# Altium PCB base-32-bit.PcbDoc (part 1 of 2) (continued)
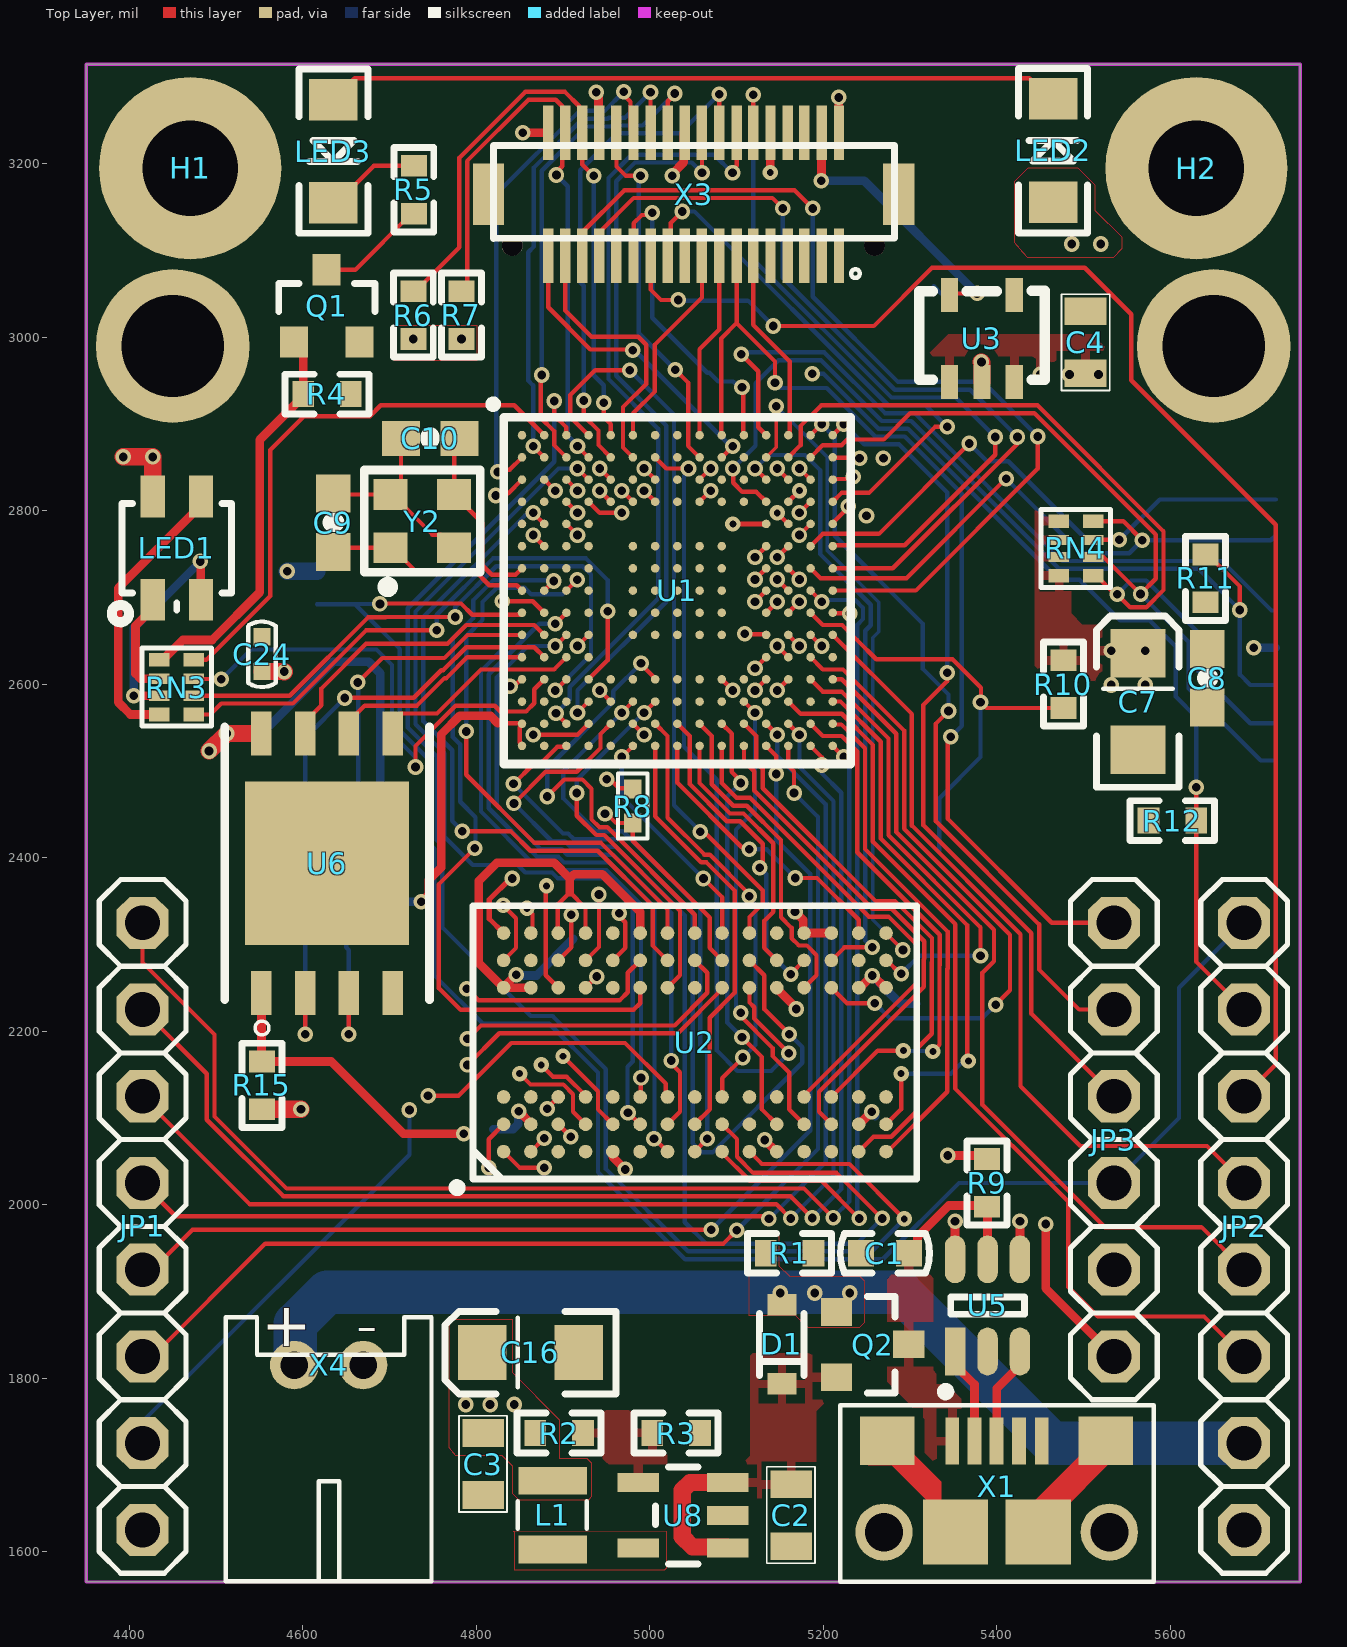
[diagram p0: Top Layer view]
## Footprints (in the part's own frame and the unit in brackets; to place one, negate y for a bottom-side part, rotate by r counter-clockwise, add the part's x,y. Pads: shape width x height; smd on the part's side, far side on the other; paste and mask are expansions set on the pad)
1X06 [mil] "1X06"
  oct 60x60 hole 40: 1(-250,0) 2(-150,0) 3(-50,0) 4(50,0) 5(150,0) 6(250,0)
  silkscreen extent -300,-50 300,50
1X08 [mil] "1X08"
  oct 60x60 hole 40: 1(-350,0) 2(-250,0) 3(-150,0) 4(-50,0) 5(50,0) 6(150,0) 7(250,0) 8(350,0)
  silkscreen extent -400,-50 400,50
2,8-PAD [mil] "2,8-PAD"
  round 210 / inner round 60 / far side round 210 hole 110.24: B2,8(0,0)
0603 [mil] "0603"
  rect 40x40 smd: 1(-31.5,0) 2(32,0)
  silkscreen extent -59,-28 60,28, body extent -31,-17 32,16, height 32
0603-CAP [mil] "0603-CAP"
  rect 44x40 smd: 1(-33.46,0) 2(34,0)
  silkscreen extent 0,-1 0,2, body extent -31,-17 32,16, height 32
0805 [mil] "0805"
  rect 32x48 smd: 1(-35.43,0) 2(36,0)
  silkscreen extent -55,-28 56,28, body extent -39,-24 39,24, height 20
1007 [mil] "1007"
  rect 79x32 smd: 1(0,40) 2(0,-39.37)
  silkscreen extent -39,-16 40,16, body extent -36,-50 35,48, height 35
BGA-90-8000X13000DE [mil]
  round 15.75 smd: A1(0,0) A2(31.5,0) A3(62.99,0) A7(188.98,0) A8(220.47,0) A9(251.97,0) B1(0,-31.5) B2(31.5,-31.5) B3(62.99,-31.5) B7(188.98,-31.5) B8(220.47,-31.5) B9(251.97,-31.5) C1(0,-62.99) C2(31.5,-62.99) C3(62.99,-62.99) C7(188.98,-62.99) C8(220.47,-62.99) C9(251.97,-62.99) D1(0,-94.49) D2(31.5,-94.49) D3(62.99,-94.49) D7(188.98,-94.49) D8(220.47,-94.49) D9(251.97,-94.49) E1(0,-125.98) E2(31.5,-125.98) E3(62.99,-125.98) E7(188.98,-125.98) E8(220.47,-125.98) E9(251.97,-125.98) F1(0,-157.48) F2(31.5,-157.48) F3(62.99,-157.48) F7(188.98,-157.48) F8(220.47,-157.48) F9(251.97,-157.48) G1(0,-188.98) G2(31.5,-188.98) G3(62.99,-188.98) G7(188.98,-188.98) G8(220.47,-188.98) G9(251.97,-188.98) H1(0,-220.47) H2(31.5,-220.47) H3(62.99,-220.47) H7(188.98,-220.47) H8(220.47,-220.47) H9(251.97,-220.47) J1(0,-251.97) J2(31.5,-251.97) J3(62.99,-251.97) J7(188.98,-251.97) J8(220.47,-251.97) J9(251.97,-251.97) K1(0,-283.46) K2(31.5,-283.46) K3(62.99,-283.46) K7(188.98,-283.46) K8(220.47,-283.46) K9(251.97,-283.46) L1(0,-314.96) L2(31.5,-314.96) L3(62.99,-314.96) L7(188.98,-314.96) L8(220.47,-314.96) L9(251.97,-314.96) M1(0,-346.46) M2(31.5,-346.46) M3(62.99,-346.46) M7(188.98,-346.46) M8(220.47,-346.46) M9(251.97,-346.46) N1(0,-377.95) N2(31.5,-377.95) N3(62.99,-377.95) N7(188.98,-377.95) N8(220.47,-377.95) N9(251.97,-377.95) P1(0,-409.45) P2(31.5,-409.45) P3(62.99,-409.45) P7(188.98,-409.45) P8(220.47,-409.45) P9(251.97,-409.45) R1(0,-440.94) R2(31.5,-440.94) R3(62.99,-440.94) R7(188.98,-440.94) R8(220.47,-440.94) R9(251.97,-440.94)
  silkscreen extent -46,-476 283,58, body extent -31,-476 284,36, height 43
C0402 [mil]
  rect 20x20 smd: 1(-20,1) 2(20,1)
  silkscreen extent -38,-15 38,17, body extent -20,-9 20,11, height 21
C0603 [mil]
  rect 29.92x30 smd: 1(0,0) 2(55,0)
  silkscreen extent -24,-23 79,23, body extent -3,-16 60,16, height 32
DF12-36-DS [mil] "DF12-36-DS"
  round 24 hole 24: 1(-208.66,-59.06) 1(209,-59.06)
  rect 12x63 smd: 1(168,-70.87) 2(168,71) 3(148,-70.87) 4(148,71) 5(128,-70.87) 6(128,71) 7(109,-70.87) 8(109,71) 9(89,-70.87) 10(89,71) 11(69,-70.87) 12(69,71) 13(50,-70.87) 14(50,71) 15(30,-70.87) 16(30,71) 17(10,-70.87) 18(10,71) 19(-9.84,-70.87) 20(-9.84,71) 21(-29.53,-70.87) 22(-29.53,71) 23(-49.21,-70.87) 24(-49.21,71) 25(-68.9,-70.87) 26(-68.9,71) 27(-88.58,-70.87) 28(-88.58,71) 29(-108.27,-70.87) 30(-108.27,71) 31(-127.95,-70.87) 32(-127.95,71) 33(-147.64,-70.87) 34(-147.64,71) 35(-167.32,-70.87) 36(-167.32,71)
  rect 36x71 smd: F1(237,0) F2(-236.22,0)
  silkscreen extent -230,-96 232,56, body extent -238,-91 238,90, height 106
EIA3216 [mil] "EIA3216"
  rect 56x63 smd: A(56,0) C(-55.12,0)
  silkscreen extent -98,-47 99,48, body extent -68,-36 66,35, height 71
JST-PH-2-THM-RA [mil] "JST-PH-2-THM-RA"
  round 56 hole 32: 1(40,0) 2(-39.37,0)
  silkscreen extent -118,-55 119,249, body extent -116,-46 116,253, height 193
LED-1206 [mil] "LED-1206"
  rect 48x56 smd: A(-59.06,0) C(60,0)
  silkscreen extent -94,-39 95,40, body extent -62,-32 64,32, height 40
LED-TRICOLOR-SMD [mil] "LED-TRICOLOR-SMD"
  rect 28x48 smd: A(27.56,-60) B(-28,-60) G(-28,59.06) R(27.56,59.06)
  silkscreen extent -63,-52 75,85, body extent -55,-70 55,67, height 75
MICROUSB-RIGHT [mil] "MICROUSB-RIGHT"
  rect 16x54 smd: 1(-51.18,50) 2(-25.59,50) 3(0,50) 4(26,50) 5(52,50)
  rect 63x56 smd: S(-125.98,50) S(126,50)
  rect 75x75 smd: S(-47.24,-55.31) S(48,-55.31)
  round 66 hole 44: S1(-129.92,-55.31) S2(130,-55.31)
  silkscreen extent -180,-112 181,91, body extent -159,-157 159,62, height 107
OSC-SMD_4P-L2.5-W2.0-BL [mm]
  rect 1x0.9 smd: 1(-0.93,-0.78) 2(0.93,-0.78) 3(0.93,0.78) 4(-0.93,0.78)
  silkscreen extent -1.7,-2.08 1.7,1.5, body extent -1.22,-1.03 1.28,0.97, height 0.55
R0402 [mil]
  rect 22x20 smd: 1(0,0) 2(39,0)
  silkscreen extent -18,-17 57,17, body extent 0,-10 40,10, height 12
R0603 [mil]
  rect 25x30 smd: 1(0,0) 2(55,0)
  silkscreen extent -21,-23 76,23, body extent -3,-16 60,16, height 16
RCA-8P4R-0402 [mm] "2mm*1mm*0.45mm(长*宽*厚)"
  rect 0.4x0.6 smd: 1(-0.8,-0.5) 4(0.8,-0.5) 5(0.8,0.5) 8(-0.8,0.5)
  rect 0.3x0.6 smd: 2(-0.25,-0.5) 3(0.25,-0.5) 6(0.25,0.5) 7(-0.25,0.5)
  silkscreen extent -1.14,-1.02 1.15,1.01, body extent -1,-0.5 1,0.5, height 0.45
SOD-323 [mil] "SOD-323"
  rect 25x33 smd: 1(-45.28,0) 2(46,0)
  silkscreen extent -35,-26 36,26, body extent -53,-26 53,27, height 31
SOT23-3 [mil] "SOT23-3"
  rect 32x36 smd: 1(-37.4,-39.37) 2(38,-39.37) 3(0,44)
  silkscreen extent -55,-4 56,28, body extent -57,-48 58,50, height 40
SOT-23-5 [mm]
  rect 0.508x1 smd: 1(0,0) 2(0.95,0) 3(1.9,0) 4(1.9,2.54) 5(0,2.54)
  silkscreen extent -0.89,0.06 2.79,2.67, body extent -0.5,-0.12 2.4,2.68, height 1.45
SOT-23-6 [mm]
  rect 0.6x1.4 smd: 1(0,0)
  oval 0.6x1.4 smd: 2(0.95,0) 3(1.9,0) 4(1.9,2.7) 5(0.95,2.7) 6(0,2.7)
  silkscreen extent -0.4,-1.3 2.03,1.6, body extent -0.46,0.14 2.34,2.57, height 1.07
TSOT25 [mil] "TSOT25"
  rect 22x48 smd: 1(0,0) 2(37.4,0) 3(75.4,0) 4(75.4,103.18) 5(0,103.18)
  silkscreen extent -19,34 93,83, body extent -20,1 94,111, height 37
UFBGA-201_L10.0-W10.0-P0.65-TL_STM32H743IIK6 [mm]
  round 0.25 smd: A1(-4.274,4.528) A2(-3.624,4.528) A3(-2.974,4.528) A4(-2.324,4.528) A5(-1.674,4.528) A6(-1.024,4.528) A7(-0.374,4.528) A8(0.276,4.528) A9(0.926,4.528) A10(1.576,4.528) A11(2.226,4.528) A12(2.876,4.528) A13(3.526,4.528) A14(4.176,4.528) A15(4.826,4.528) B1(-4.274,3.878) B2(-3.624,3.878) B3(-2.974,3.878) B4(-2.324,3.878) B5(-1.674,3.878) B6(-1.024,3.878) B7(-0.374,3.878) B8(0.276,3.878) B9(0.926,3.878) B10(1.576,3.878) B11(2.226,3.878) B12(2.876,3.878) B13(3.526,3.878) B14(4.176,3.878) B15(4.826,3.878) C1(-4.274,3.228) C2(-3.624,3.228) C3(-2.974,3.228) C4(-2.324,3.228) C5(-1.674,3.228) C6(-1.024,3.228) C7(-0.374,3.228) C8(0.276,3.228) C9(0.926,3.228) C10(1.576,3.228) C11(2.226,3.228) C12(2.876,3.228) C13(3.526,3.228) C14(4.176,3.228) C15(4.826,3.228) D1(-4.274,2.578) D2(-3.624,2.578) D3(-2.974,2.578) D4(-2.324,2.578) D5(-1.674,2.578) D6(-1.024,2.578) D7(-0.374,2.578) D8(0.276,2.578) D9(0.926,2.578) D10(1.576,2.578) D11(2.226,2.578) D12(2.876,2.578) D13(3.526,2.578) D14(4.176,2.578) D15(4.826,2.578) E1(-4.274,1.928) E2(-3.624,1.928) E3(-2.974,1.928) E4(-2.324,1.928) E12(2.876,1.928) E13(3.526,1.928) E14(4.176,1.928) E15(4.826,1.928) F1(-4.274,1.278) F2(-3.624,1.278) F3(-2.974,1.278) F4(-2.324,1.278) F6(-1.024,1.278) F7(-0.374,1.278) F8(0.276,1.278) F9(0.926,1.278) F10(1.576,1.278) F12(2.876,1.278) F13(3.526,1.278) F14(4.176,1.278) F15(4.826,1.278) G1(-4.274,0.628) G2(-3.624,0.628) G3(-2.974,0.628) G4(-2.324,0.628) G6(-1.024,0.628) G7(-0.374,0.628) G8(0.276,0.628) G9(0.926,0.628) G10(1.576,0.628) G12(2.876,0.628) G13(3.526,0.628) G14(4.176,0.628) G15(4.826,0.628) H1(-4.274,-0.022) H2(-3.624,-0.022) H3(-2.974,-0.022) H4(-2.324,-0.022) H6(-1.024,-0.022) H7(-0.374,-0.022) H8(0.276,-0.022) H9(0.926,-0.022) H10(1.576,-0.022) H12(2.876,-0.022) H13(3.526,-0.022) H14(4.176,-0.022) H15(4.826,-0.022) J1(-4.274,-0.672) J2(-3.624,-0.672) J3(-2.974,-0.672) J4(-2.324,-0.672) J6(-1.024,-0.672) J7(-0.374,-0.672) J8(0.276,-0.672) J9(0.926,-0.672) J10(1.576,-0.672) J12(2.876,-0.672) J13(3.526,-0.672) J14(4.176,-0.672) J15(4.826,-0.672) K1(-4.274,-1.322) K2(-3.624,-1.322) K3(-2.974,-1.322) K4(-2.324,-1.322) K6(-1.024,-1.322) K7(-0.374,-1.322) K8(0.276,-1.322) K9(0.926,-1.322) K10(1.576,-1.322) K12(2.876,-1.322) K13(3.526,-1.322) K14(4.176,-1.322) K15(4.826,-1.322) L1(-4.274,-1.972) L2(-3.624,-1.972) L3(-2.974,-1.972) L4(-2.324,-1.972) L12(2.876,-1.972) L13(3.526,-1.972) L14(4.176,-1.972) L15(4.826,-1.972) M1(-4.274,-2.622) M2(-3.624,-2.622) M3(-2.974,-2.622) M4(-2.324,-2.622) M5(-1.674,-2.622) M6(-1.024,-2.622) M7(-0.374,-2.622) M8(0.276,-2.622) M9(0.926,-2.622) M10(1.576,-2.622) M11(2.226,-2.622) M12(2.876,-2.622) M13(3.526,-2.622) M14(4.176,-2.622) M15(4.826,-2.622) N1(-4.274,-3.272) N2(-3.624,-3.272) N3(-2.974,-3.272) N4(-2.324,-3.272) N5(-1.674,-3.272) N6(-1.024,-3.272) N7(-0.374,-3.272) N8(0.276,-3.272) N9(0.926,-3.272) N10(1.576,-3.272) N11(2.226,-3.272) N12(2.876,-3.272) N13(3.526,-3.272) N14(4.176,-3.272) N15(4.826,-3.272) P1(-4.274,-3.922) P2(-3.624,-3.922) P3(-2.974,-3.922) P4(-2.324,-3.922) P5(-1.674,-3.922) P6(-1.024,-3.922) P7(-0.374,-3.922) P8(0.276,-3.922) P9(0.926,-3.922) P10(1.576,-3.922) P11(2.226,-3.922) P12(2.876,-3.922) P13(3.526,-3.922) P14(4.176,-3.922) P15(4.826,-3.922) R1(-4.274,-4.572) R2(-3.624,-4.572) R3(-2.974,-4.572) R4(-2.324,-4.572) R5(-1.674,-4.572) R6(-1.024,-4.572) R7(-0.374,-4.572) R8(0.276,-4.572) R9(0.926,-4.572) R10(1.576,-4.572) R11(2.226,-4.572) R12(2.876,-4.572) R13(3.526,-4.572) R14(4.176,-4.572) R15(4.826,-4.572)
  silkscreen extent -5.22,-5.1 5.36,5.54, body extent -4.75,-5 5.25,5, height 0.67
WSON-8_L8.0-W6.10-P1.27-BL-EP [mm]
  rect 4.8x4.8 smd: 0(0,0)
  rect 0.6x1.3 smd: 1(-1.92,-3.8) 2(-0.64,-3.8) 3(0.64,-3.8) 4(1.92,-3.8) 5(1.92,3.8) 6(0.64,3.8) 7(-0.64,3.8) 8(-1.92,3.8)
  silkscreen extent -3,-5.03 3,4, body extent -3,-3.99 3,4.01, height 0.81

## Part data
C1 C2 C3 C4 C5: library part CAP0805, "CapacitorStandard 0603 ceramic capacitor, and 0.1\" leaded capacitor."
C6 C7 C16: library part CAP_POL1206, "Capacitor PolarizedThese are standard SMD and PTH capacitors. Normally 10uF, 47uF, and 100uF in electrolytic and tantalum varieties. Always verify the external diameter of the through hole cap, it varies with capacity, voltage, and manufacturer. The EIA devices should be standard."
C8 C9 C10 C11 C12: library part CAP0603-CAP, "CapacitorStandard 0603 ceramic capacitor, and 0.1\" leaded capacitor."
C13 C14 C15 C17 C18 C19 C20 C21 C22 C23 C24 C25 C26 C27 C28 C29 C30: library part CAP0402-CAP, "CapacitorStandard 0603 ceramic capacitor, and 0.1\" leaded capacitor."
D1: library part DIODESOD, "DiodeThese are standard reverse protection diodes and small signal diodes. SMA package can handle up to about 1A. SOD-323 can handle about 200mA. What the SOD-323 package when ordering, there are some mfgs out there that are 5-pin packages."
H1 H2: "MOUNTING PAD, round"
JP1 JP2 JP3: "PIN HEADER"
L1: library part INDUCTOR1007, "InductorsBasic Inductor/Choke - 0603 and 1206. Footprints are not proven and vary greatly between part numbers."
L2: library part INDUCTOR0603, "InductorsBasic Inductor/Choke - 0603 and 1206. Footprints are not proven and vary greatly between part numbers."
LED1: "Tri-Color LED SMDProven layout and schematic for triple color LED in SMD package - common anode. Spark Fun Electronics SKU : COM-07844"
LED2 LED3: library part LED1206, "LEDsStandard schematic elements and footprints for 5mm, 3mm, 1206, and 0603 sized LEDs. 5mm - Spark Fun Electronics SKU : COM-00529 (and others)"
Q1: library part MOSFET-NCHANNELSMD
Q2: library part MOSFET-PCHANNELSMD
R1 R2 R3 R4 R5 R6 R7 R9 R10 R11 R12 R13 R14: library part RESISTOR0603-RES, "ResistorBasic schematic elements and footprints for 0603, 1206, and PTH resistors."
R8 R15: library part RESISTOR0402-RES, "ResistorBasic schematic elements and footprints for 0603, 1206, and PTH resistors."
RN3 RN4: library part 排阻_4P
U1: BOM_Manufacturer=STMicroelectronics, BOM_Manufacturer Part=STM32H743IIK6, BOM_Supplier=LCSC, BOM_Supplier Part=C129442, Contributor=LCSC, spicePre=U, spiceSymbolName=STM32H743IIK6, subpart_no=2
U3: BOM_LCSC Assembly=Yes, BOM_Manufacturer=MICRONE, BOM_Manufacturer Part=ME6211C33M5G-N, BOM_Supplier=LCSC, BOM_Supplier Part=C82942, image=//image.lceda.cn/szlcsc/C82942.jpg, SMT Type=Extend, spicePre=L, spiceSymbolName=ME6211C33M5G-N
U5: BOM_LCSC Assembly=Yes, BOM_Manufacturer=STMicroelectronics, BOM_Manufacturer Part=USBLC6-2SC6, BOM_Supplier=LCSC, BOM_Supplier Part=C7519, image=//image.lceda.cn/szlcsc/C7519.jpg, SMT Type=Extend, spicePre=D, spiceSymbolName=USBLC6-2SC6
U6: library part W25Q128JVSQ
U8: library part PAM2305AAB330
X1: library part USB_MICRO_RIGHT, "Library:  MF_Connectors Description: 5 Pin USB Connectors. SLD is the shield connection. Usually tied to ground through a small ferrite bead."
X4: library part JST_2PIN-THM-RA, "JST 2-Pin Connectors of various flavors SMT-RA (S2B-PH-SM4) 4UConnector #17311  SMT  (B2B-PH-SM4)  THM-RA (S2B-PH)  THM  (B2B-PH)"
Y2: library part XTAL-NV-4

## Free pads (board coordinates)
  round 177.17 / inner round 60 / far side round 177.17 hole 118.11: P$1(4450,2990) P$1(5650,2990)

## Via types
v1: diameter 18, hole 10, Top Layer to Bottom Layer, tented both sides, 235 vias
v2: diameter 17.72, hole 8, Top Layer to Bottom Layer, tented both sides, 14 vias

## Nets (pads, with @x,y where several pads share a name; then routed paths per layer and width w, separated by ;. In a path a pad name is that pad's centre, name@x,y a point inside that pad or via, vN(x,y) a via of type N, cw(c..) or ccw(c..) an arc to the next point about the centre after c; other vN are vias at no path point)
BOOT0: JP2.2 R12.2 U1.D6 | length 1312.7
  Top Layer w5: v1(4967.68,2823.23) U1.D6@4980.47,2810.43 ; v1(5629.76,2481.17) R12.2@5629.76,2442.69 5629.76,2280.24 JP2.2@5685,2225
  PWR w5: v1(4967.68,2823.23) 4967.68,2845.15 5087.67,2965.14 5180.23,2965.14 v1(5187.23,2958.14)
  Bottom Layer w5: v1(5187.23,2958.14) 5200.09,2958.14 5263.59,2894.64 5297.46,2894.64 5471.46,2720.64 5495.23,2720.64 5542.23,2673.64 5576.23,2673.64 5606.23,2643.64 5606.23,2585.87 5629.76,2562.33 v1(5629.76,2481.17)
DAC: JP1.7 U1.P4 | length 1074.2
  Top Layer w5: v1(4865.32,2541.73) 4916.5,2541.73 U1.P4@4929.29,2554.52
  PWR w5: v1(4722.73,2109.14) 4720.73,2111.14 4720.73,2303.01 4865.32,2447.61 v1(4865.32,2541.73)
  Bottom Layer w5: JP1.7@4415,1725 4415,1749.91 4722.73,2057.64 v1(4722.73,2109.14)
DCMI_CLK: U1.F15 X3.12 | length 848.9
  Top Layer w5: X3.12@5119,3236 5119.11,3236.11 5119.11,3279.52 v1(5119.23,3279.64) ; U1.F15@5210.79,2759.25 5211.72,2760.18 5293.77,2760.18 5398.23,2864.64 v1(5398.23,2885.14)
  Bottom Layer w5: v1(5119.23,3279.64) 5119.23,3089.92 5278.51,2930.64 5352.73,2930.64 v1(5398.23,2885.14)
DCMI_D0: U1.H15 X3.31 | length 1081.2
  Top Layer w5: X3.31@4922.05,3094.13 4922.05,3121.14 4970.55,3169.64 5166.73,3169.64 v1(5187.73,3148.64) ; U1.H15@5210.79,2708.07 5306.66,2708.07 5447.23,2848.64 v1(5447.23,2885.64)
  Bottom Layer w5: v1(5187.73,3148.64) 5187.73,3046.87 5285.96,2948.64 5384.23,2948.64 v1(5447.23,2885.64)
DCMI_D1: U1.G15 X3.29 | length 966.5
  Top Layer w5: X3.29@4941.73,3094.13 4941.73,3121.14 4981.23,3160.64 5141.23,3160.64 v1(5153.23,3148.64) ; U1.G15@5210.79,2733.66 5279.98,2733.66 5423.73,2877.41 v1(5423.73,2885.14)
  Bottom Layer w5: v1(5153.23,3148.64) 5153.23,3068.64 5282.23,2939.64 5369.23,2939.64 v1(5423.73,2885.14)
DCMI_D2: U1.B10 X3.35 | length 356.9
  Top Layer w5: X3.35@4882.68,3094.13 4882.68,3034.69 4931.29,2986.07 4979.29,2986.07 v1(4980.23,2985.14) ; U1.B10@5082.84,2861.61 v1(5095.64,2874.41)
  Bottom Layer w5: v1(4980.23,2985.14) 4982.57,2985.14 5093.3,2874.41 v1(5095.64,2874.41)
DCMI_D3: U1.B9 X3.28 | length 425.7
  Top Layer w5: X3.28@4961.42,3236 4961.42,3197 4972.28,3186.14 v1(4989.23,3186.14) ; v1(5029.23,2962.64) 5044.02,2947.84 5044.02,2874.85 U1.B9@5057.25,2861.61
  Bottom Layer w5: v1(4989.23,3186.14) 4987.23,3184.14 4987.23,3004.64 v1(5029.23,2962.64)
DCMI_D4: U1.B1 X3.26 | length 603.6
  Top Layer w5: v1(4824.53,2844.83) 4827.02,2847.32 4838.23,2847.32 U1.B1@4852.52,2861.61 ; v1(4969.73,3283.14) 4969.73,3279.62 4977.6,3271.75 4977.6,3239.5 X3.26@4981.1,3236
  Bottom Layer w5: v1(4824.53,2844.83) 4822.84,2846.53 4822.84,3165.12 4918.85,3261.14 4947.73,3261.14 v1(4969.73,3283.14)
DCMI_D5: U1.B6 X3.33 | length 318.6
  Top Layer w5: X3.33@4902.36,3094.13 4902.36,3031 4932.73,3000.64 4986.65,3000.64 4995.73,2991.56 4995.73,2946.29 4969.05,2919.62 4969.05,2873.04 U1.B6@4980.48,2861.61
DCMI_D6: U1.B2 X3.24 | length 561.6
  Top Layer w5: v1(4865.32,2874.41) U1.B2@4878.12,2861.61 ; X3.24@5000.79,3236 v1@5000.76,3282.61
  Bottom Layer w5: v1(4865.32,2874.41) 4865.32,2944.63 4859.73,2950.22 4859.73,3098.17 4866.23,3104.67 4866.23,3195.79 4922.58,3252.14 4951.46,3252.14 4952.56,3253.24 4971.33,3253.24 v1(5000.73,3282.64)
DCMI_D7: U1.B3 X3.22 | length 582
  Top Layer w5: v1(4875.23,2956.64) 4874.23,2955.64 4874.23,2907.24 4889.53,2891.93 4889.53,2875.79 U1.B3@4903.71,2861.61 ; X3.22@5020.47,3236 5020.47,3272.2 5028.73,3280.46 v1(5028.73,3281.14)
  Bottom Layer w5: v1(4875.23,2956.64) 4875.23,3192.06 4926.31,3243.14 4955.18,3243.14 4956.29,3244.24 4991.83,3244.24 v1(5028.73,3281.14)
DCMI_FSIN: JP2.3 X3.23 | length 1646.2
  Top Layer w5: X3.23@5000.79,3094.13 5000.79,3055.13 5012.78,3043.14 v1(5032.73,3043.14) ; v1(5142.23,3013.14) 5258.23,3013.14 5325.23,3080.14 5501.35,3080.14 5554.91,3026.58 5554.91,2950.61 5721.5,2784.03 5721.5,2161.5 JP2.3@5685,2125
  Bottom Layer w5: v1(5032.73,3043.14) 5033.48,3042.39 5112.98,3042.39 v1(5142.23,3013.14)
DCMI_HSYNC: U1.N4 X3.18 | length 855.7
  Top Layer w5: v1(4916.5,2567.32) U1.N4@4929.29,2580.11 ; v1(5060,3189.91) X3.18@5060,3236
  Bottom Layer w5: v1(4916.5,2567.32) 4916.5,2593.04 5018.73,2695.27 5018.73,2898.22 4961.23,2955.72 4961.23,3180.06 4982.81,3201.64 5048.27,3201.64 v1(5060,3189.91)
DCMI_PCLK: U1.P3 X3.14 | length 918.1
  Top Layer w5: v1(4891.73,2566.64) v1(4891.73,2566.64) 4903.7,2554.6 U1.P3@4903.7,2554.52 ; v1(5095.23,3189.64) 5095.23,3193.16 5100,3197.93 X3.14@5100,3236
  Bottom Layer w5: v1(4891.73,2566.64) 4907.5,2582.41 4907.5,2596.77 5009.73,2699 5009.73,2894.49 4952.23,2951.99 4952.23,3183.79 4979.08,3210.64 5074.23,3210.64 v1(5095.23,3189.64)
DCMI_PWDN: R14.1 U1.A11 X3.25 | length 378
  Top Layer w5: X3.25@4981.1,3094.13 4981.23,3094.26 4981.23,3131.64 4990.74,3141.15 5000.24,3141.15 v1(5002.73,3143.64) ; v1(5106.23,2942.64) 5107.51,2941.36 5107.51,2888.13 U1.A11@5108.43,2887.2
  Bottom Layer w5: v1(5002.73,3143.64) 5002.73,3022.64 5066.23,2959.14 R14.1@5068.73,2959.14 5078.73,2949.14 5096.21,2949.14 5102.71,2942.64 v1(5106.23,2942.64)
DCMI_RST: U1.D15 X3.21 | length 634
  Top Layer w5: X3.21@5020.47,3094.13 5023.97,3097.63 5023.97,3131.88 v1(5037.23,3145.14) ; U1.D15@5210.79,2810.43 5221,2820.64 5252.65,2820.64 5328.77,2896.76 v1(5342.73,2896.76)
  Bottom Layer w5: v1(5037.23,3145.14) 5051.28,3145.14 5274.78,2921.64 5317.85,2921.64 v1(5342.73,2896.76)
DCMI_VSYNC: U1.B5 X3.16 | length 586.6
  Top Layer w5: v1(4923.73,2927.14) 4923.73,2909.64 4940.71,2892.65 4940.71,2875.79 U1.B5@4954.89,2861.61 ; X3.16@5080,3236 v1(5080,3280.41)
  Bottom Layer w5: v1(4923.73,2927.14) 4923.73,3059.61 4919.73,3063.61 4919.73,3192.56 4962.41,3235.24 5034.83,3235.24 v1(5080,3280.41)
DRAM_A0: U1.E2 U2.G8 | length 785.4
  Top Layer w5: v1(4783.48,2430.39) 4839.7,2430.39 4861.95,2408.14 4939.82,2408.14 5003.15,2344.8 5003.15,2298.82 U2.G8@5020.28,2281.69 ; v1(4865.32,2797.63) U1.E2@4878.11,2784.84
  Bottom Layer w5: v1(4783.48,2430.39) 4783.48,2431.22 4772.23,2442.47 4772.23,2524.05 4738.73,2557.55 4738.73,2677.47 4856.4,2795.15 4862.83,2795.15 v1(4865.32,2797.63)
DRAM_A1: U1.H3 U2.G9 | length 674.4
  Top Layer w5: v1(4788.23,2545.64) 4788.23,2495.72 4866.81,2417.14 4943.54,2417.14 5020.28,2340.4 U2.G9@5020.28,2313.19 ; U1.H3@4903.7,2708.07 v1(4916.23,2720.64)
  Bottom Layer w5: v1(4788.23,2545.64) 4788.23,2655.49 4807.01,2674.27 4807.01,2694.84 4823.31,2711.14 4855.76,2711.14 4863.26,2703.64 4899.23,2703.64 v1(4916.23,2720.64)
DRAM_A2: U1.H2 U2.F7 | length 867.6
  Top Layer w5: v1(4798.23,2411.14) 4756.73,2369.64 4756.73,2249.64 4781.73,2224.64 4981.23,2224.64 4988.78,2232.19 U2.F7@4988.78,2250.2 ; U1.H2@4878.11,2708.07 v1(4889.23,2719.14)
  Bottom Layer w5: v1(4798.23,2411.14) 4798.98,2411.89 4798.98,2446.78 4781.23,2464.53 4781.23,2530.72 4772.73,2539.22 4772.73,2652.72 4796.15,2676.14 4796.15,2696.71 4819.58,2720.14 4888.23,2720.14 v1(4889.23,2719.14)
DRAM_A3: U1.J2 U2.F3 | length 757.3
  Top Layer w5: v1(4829.73,2695.64) 4864.96,2695.64 U1.J2@4878.11,2682.48 ; U2.F3@4988.78,2124.21 4989.25,2124.68 4989.25,2145.66 v1(4989.73,2146.14)
  Bottom Layer w5: v1(4829.73,2695.64) 4829.73,2639.79 4805.23,2615.29 4805.23,2453.26 4866.49,2392 4890.82,2392 4897.32,2385.5 4950.02,2385.5 4989.73,2345.79 v1(4989.73,2146.14)
DRAM_A4: U1.J3 U2.G1 | length 800.4
  Top Layer w5: v1(4890.91,2669.69) U1.J3@4903.7,2682.48 ; v1(5004.73,2076.14) 5005.05,2076.14 5019.96,2061.22 U2.G1@5020.28,2061.22
  Bottom Layer w5: v1(4890.91,2669.69) 4872.36,2669.69 4814.23,2611.56 4814.23,2456.99 4870.22,2401 4894.55,2401 4901.05,2394.5 4953.75,2394.5 5005.23,2343.01 5005.23,2076.64 v1(5004.73,2076.14)
DRAM_A5: U1.K3 U2.G2 | length 754.6
  Top Layer w5: v1(4890.91,2644.09) U1.K3@4903.7,2656.88 ; U2.G2@5020.28,2092.72 5034.65,2107.09 5034.65,2152.73 5024.73,2162.66 v1(5024.73,2166.14)
  Bottom Layer w5: v1(4890.91,2644.09) 4859.49,2644.09 4823.23,2607.83 4823.23,2460.72 4873.95,2410 4898.27,2410 4904.77,2403.5 4957.47,2403.5 5024.73,2336.24 v1(5024.73,2166.14)
DRAM_A6: U1.P6 U2.G3 | length 901.7
  Top Layer w5: v1(4744.23,2125.64) 4779.23,2125.64 4840.09,2186.5 4971.29,2186.5 5018.22,2139.56 5018.22,2126.27 U2.G3@5020.28,2124.21 ; U1.P6@4980.48,2554.52 v1(4993.28,2541.73)
  PWR w5: v1(4744.23,2125.64) 4744.23,2182.72 4804.23,2242.72 4804.23,2361.06 4887.31,2444.14 4919.81,2444.14 4947.39,2471.72 4963.31,2471.72 4994.14,2502.55 4994.14,2541.73 v1@4994.73,2541.14
DRAM_A7: U1.N6 U2.H1 | length 644.4
  Top Layer w5: v1(4967.68,2567.32) U1.N6@4980.47,2580.11 ; U2.H1@5051.77,2061.45 v1@5066.22,2075.9
  Bottom Layer w5: v1(4967.68,2567.32) 4900.23,2499.87 4900.23,2468.22 4937.95,2430.5 4968.66,2430.5 5058.23,2340.93 5058.23,2183.99 5066.22,2176 v1(5066.22,2076.14)
DRAM_A8: U1.R7 U2.H2 | length 496.7
  Top Layer w5: U1.R7@5006.06,2528.93 5006.06,2447.65 5059.09,2394.62 5065.16,2394.62 5097.65,2362.14 5097.65,2244.25 5068.9,2215.5 5068.9,2109.84 U2.H2@5051.77,2092.72
DRAM_A9: U1.P7 U2.J3 | length 497.7
  Top Layer w5: U1.P7@5006.07,2554.52 5020.23,2540.36 5020.23,2446.21 5062.82,2403.62 5068.89,2403.62 5114.73,2357.79 v1(5114.73,2355.79) ; U2.J3@5083.27,2124.21 5083.27,2145.68 v1(5107.23,2169.64)
  Bottom Layer w5: v1(5107.23,2169.64) 5121.73,2184.14 5121.73,2345.27 5114.73,2352.27 v1(5114.73,2355.79)
DRAM_A10: U1.N7 U2.G7 | length 427.9
  Top Layer w5: v1(4915.73,2474.64) 4915.73,2448.49 4938.08,2426.14 4947.27,2426.14 5034.65,2338.75 5034.65,2264.57 U2.G7@5020.28,2250.2 ; v1(4993.28,2567.32) U1.N7@5006.06,2580.11
  Bottom Layer w5: v1(4915.73,2474.64) 4915.73,2489.77 v1(4993.28,2567.32)
DRAM_A11: U1.M7 U2.H9 | length 507.9
  Top Layer w5: v1(4881.73,2470.64) 4901.23,2490.14 4922.15,2490.14 4932.73,2479.56 4932.73,2444.22 4941.81,2435.14 4951,2435.14 5051.77,2334.37 U2.H9@5051.77,2313.19 ; v1(4989.73,2624.09) 4989.73,2623.06 5006.07,2606.72 U1.M7@5006.06,2605.7
  Bottom Layer w5: v1(4881.73,2470.64) 4881.73,2503.29 4957.59,2579.15 4957.59,2591.95 v1(4989.73,2624.09)
DRAM_BA0: U1.K14 U2.J7 | length 1141.1
  Top Layer w5: v1(4789.73,2161.14) 4826.23,2197.64 5032.27,2197.64 5083.27,2248.64 U2.J7@5083.27,2250.2 ; U1.K14@5185.2,2656.88 v1(5198,2644.09)
  PWR w5: v1(4789.73,2161.14) 4858.37,2229.78 4940.01,2229.78 4998.23,2287.99 4998.23,2359.14 5032.23,2393.14 5070.23,2393.14 5127.23,2450.14 5187.73,2450.14 5239.09,2501.5 5239.09,2525.28 5215.23,2549.14 5215.23,2626.86 v1(5198,2644.09)
DRAM_BA1: U1.K13 U2.H8 | length 1102.6
  Top Layer w5: v1(4789.73,2191.14) 4805.23,2206.64 5028.54,2206.64 5066.15,2244.25 5066.15,2267.32 U2.H8@5051.77,2281.69 ; U1.K13@5159.61,2656.88 v1(5172.41,2644.09)
  PWR w5: v1(4789.73,2191.14) 4845.23,2246.64 4944.15,2246.64 4989.23,2291.72 4989.23,2362.87 5028.5,2402.14 5066.5,2402.14 5123.5,2459.14 5172.65,2459.14 5182.5,2468.99 5182.5,2519.91 5199.23,2536.64 5199.23,2617.27 v1(5172.41,2644.09)
DRAM_CAS: U1.B7 U2.K7 | length 928.3
  Top Layer w5: U1.B7@5006.07,2861.61 5018.88,2848.81 v1(5044.45,2848.81) ; U2.K7@5114.76,2250.2 5114.76,2233.03 5120.23,2227.56 5120.23,2214.64 v1(5160.23,2174.64)
  Bottom Layer w5: v1(5044.45,2848.81) 5044.45,2845.29 5039.23,2840.07 5039.23,2527.89 5077.23,2489.89 5077.23,2177.72 5100.81,2154.14 5139.73,2154.14 v1(5160.23,2174.64)
DRAM_CLK: U1.H14 U2.J1 | length 968.6
  Top Layer w5: U2.J1@5083.27,2061.22 5083.27,2059.65 5115.28,2027.64 5197.73,2027.64 v1(5241.23,1984.14) ; U1.H14@5185.2,2708.07 v1(5198,2695.28)
  Bottom Layer w5: v1(5198,2695.28) 5199.85,2697.14 5236.65,2697.14 5245.73,2688.06 5245.73,2675.22 5239.23,2668.72 5239.23,1986.14 v1(5241.23,1984.14)
DRAM_CLKE: U1.P5 U2.J2 | length 1254.5
  Top Layer w5: v1(4843.23,2462.64) 4879.73,2499.14 4915.65,2499.14 4943.05,2526.54 4943.05,2542.69 U1.P5@4954.88,2554.52 ; U2.J2@5083.27,2092.72 5100.39,2075.61 5100.39,2055.27 5119.01,2036.64 5215.23,2036.64 v1(5267.73,1984.14)
  Bottom Layer w5: v1(4843.23,2462.64) 4886.87,2419 4902,2419 4908.5,2412.5 4961.2,2412.5 5040.23,2333.47 5040.23,1979.72 5064.81,1955.14 5238.73,1955.14 v1(5267.73,1984.14)
DRAM_CS: R8.2 U1.N5 U2.J8 | length 429.3
  Top Layer w5: v1(4942.09,2592.91) U1.N5@4954.88,2580.11 ; v1(4948.23,2450.64) 4950.56,2450.64 4961.06,2440.14 R8.2@4980.23,2440.14 4980.23,2419.64 5068.9,2330.97 5068.9,2296.07 U2.J8@5083.27,2281.69
  GND w5: v1(4942.09,2592.91) 4942.09,2563.65 4983.18,2522.56 4983.18,2487.04 4948.23,2452.09 v1(4948.23,2450.64)
DRAM_D0: U1.M14 U2.R8 | length 536.6
  Top Layer w5: U1.M14@5185.2,2605.7 5199.37,2591.53 5221.02,2591.53 5275.09,2537.47 5275.09,2425.87 5381.23,2319.73 v1(5381.23,2287.14) ; U2.R8@5272.24,2281.69 5273.21,2281.69 5288.76,2266.14 v1(5289.73,2266.14)
  Bottom Layer w5: v1(5289.73,2266.14) 5310.73,2287.14 v1(5381.23,2287.14)
DRAM_D1: U1.L14 U2.N7 | length 726.8
  Top Layer w5: U1.L14@5185.2,2631.29 5199.37,2617.12 5222.59,2617.12 5293.09,2546.63 5293.09,2433.32 5415.23,2311.18 5415.23,2247.14 v1(5398.73,2230.64) ; U2.N7@5209.25,2250.2 5227.31,2232.14 v1(5259.23,2232.14)
  Bottom Layer w5: v1(5259.23,2232.14) 5276.23,2215.14 5383.23,2215.14 v1(5398.73,2230.64)
DRAM_D2: U1.B12 U2.R9 | length 784.8
  Top Layer w4: U1.B12@5134.02,2861.61 5145.73,2873.32 v1(5145.73,2920.64) ; U2.R9@5272.24,2313.19 v1@5291.73,2293.67
  Bottom Layer w4: v1(5145.73,2920.64) 5204.73,2861.64 5204.73,2753.81 5263.73,2694.81 5263.73,2660.64 5256.73,2653.64 5256.73,2328.64 v1(5291.73,2293.64)
DRAM_D3: U1.C12 U2.N8 | length 740.4
  Top Layer w5: v1(5121.22,2848.82) U1.C12@5134.02,2836.02 ; U2.N8@5209.25,2281.69 5224.2,2296.64 v1(5256.23,2296.64)
  Bottom Layer w5: v1(5121.22,2848.82) 5136.72,2864.32 5178.84,2864.32 5196.23,2846.92 5196.23,2750.29 5254.73,2691.79 5254.73,2668.14 5248.23,2661.64 5248.23,2304.64 v1(5256.23,2296.64)
DRAM_D4: U1.R8 U2.P9 | length 332.4
  Top Layer w5: U1.R8@5031.65,2528.93 5031.65,2486.38 5105.91,2412.13 5112.24,2412.13 v1(5114.73,2409.64) ; v1(5167.73,2376.64) 5192.73,2376.64 5240.75,2328.62 U2.P9@5240.75,2313.19
  Bottom Layer w5: v1(5114.73,2409.64) 5134.73,2409.64 v1(5167.73,2376.64)
DRAM_D5: U1.P8 U2.M8 | length 377.2
  Top Layer w5: U1.P8@5031.66,2554.52 5045.82,2540.36 5045.82,2484.94 5088.71,2442.05 5104.23,2442.05 5130.23,2416.06 5130.23,2395.66 5126.73,2392.16 v1(5126.73,2388.64) ; v1(5162.28,2265.75) 5162.28,2265.98 5177.76,2281.46 U2.M8@5177.99,2281.46
  Bottom Layer w5: v1(5126.73,2388.64) 5134.06,2381.3 5134.06,2293.97 v1(5162.28,2265.75)
DRAM_D6: U1.P9 U2.M7 | length 380.6
  Top Layer w5: U1.P9@5057.25,2554.52 5071.42,2540.35 5071.42,2484.8 5096.16,2460.05 5111.69,2460.05 5151.23,2420.51 5151.23,2331.3 5163.39,2319.14 5163.39,2307.24 5171.81,2298.82 5180.96,2298.82 5192.14,2287.64 5192.14,2264.57 U2.M7@5177.76,2250.2
DRAM_D7: U1.R9 U2.L8 | length 301.8
  Top Layer w5: U1.R9@5057.24,2528.93 5057.24,2486.25 5092.44,2451.05 5107.96,2451.05 5142.23,2416.79 5142.23,2337.55 5131.89,2327.21 5131.89,2296.07 U2.L8@5146.26,2281.69
DRAM_D8: U1.P10 U2.L2 | length 500.9
  Top Layer w5: U1.P10@5082.84,2554.52 5094.26,2543.1 5094.26,2499.01 5104.73,2488.55 v1(5104.73,2486.14) ; v1(5106.23,2193.14) 5129.14,2170.23 5129.14,2109.84 U2.L2@5146.26,2092.72
  Bottom Layer w5: v1(5104.73,2486.14) 5089.23,2470.64 5089.23,2210.14 v1(5106.23,2193.14)
DRAM_D9: U1.R10 U2.M3 | length 573.8
  Top Layer w5: U1.R10@5082.84,2528.93 5082.84,2486.1 5099.89,2469.05 5115.42,2469.05 5252.33,2332.14 5275.15,2332.14 5307.23,2300.06 5307.23,2287.22 5306.87,2286.86 5306.87,2254.89 5177.76,2125.78 U2.M3@5177.76,2124.21
DRAM_D10: U1.N11 U2.M2 | length 534.3
  Top Layer w5: v1(5104.73,2221.14) 5104.73,2217.41 5141.46,2180.68 5141.46,2171.49 5160.64,2152.31 5160.64,2109.84 U2.M2@5177.76,2092.72 ; U1.N11@5108.43,2580.11 v1(5121.23,2567.32)
  Bottom Layer w5: v1(5104.73,2221.14) 5099.23,2226.64 5099.23,2432.42 5121.23,2454.42 v1(5121.23,2567.32)
DRAM_D11: U1.P11 U2.P1 | length 643.1
  Top Layer w5: U1.P11@5108.43,2554.52 5122.6,2540.35 5122.6,2510.14 5130.23,2502.51 5130.23,2480.14 5260.23,2350.14 5282.6,2350.14 5325.23,2307.51 5325.23,2279.76 5324.87,2279.4 5324.87,2197 5307.59,2179.72 5307.59,2107.74 5278.19,2078.34 5257.88,2078.34 U2.P1@5240.75,2061.22
DRAM_D12: U1.R11 U2.N2 | length 591.6
  Top Layer w5: U1.R11@5108.43,2528.93 5108.43,2511.58 5120.23,2499.79 5120.23,2477.41 5256.5,2341.14 5278.88,2341.14 5316.23,2303.79 5316.23,2283.49 5315.87,2283.13 5315.87,2251.16 5194.88,2130.16 5194.88,2107.09 U2.N2@5209.25,2092.72
DRAM_D13: U1.P15 U2.R1 | length 583.8
  Top Layer w5: U1.P15@5210.79,2554.52 5211.72,2553.6 5220.78,2553.6 5248.09,2526.29 5248.09,2410.11 5343.23,2314.97 5343.23,2272.31 5342.87,2271.95 5342.87,2130.29 5273.8,2061.22 U2.R1@5272.24,2061.22
DRAM_D14: U1.P14 U2.N3 | length 595.3
  Top Layer w5: U1.P14@5185.2,2554.52 5199.37,2540.35 5221.29,2540.35 5239.09,2522.56 5239.09,2406.38 5334.23,2311.24 5334.23,2276.03 5333.87,2275.68 5333.87,2184.28 v2(5326.23,2176.64) ; U2.N3@5209.25,2124.21 5262.68,2177.64 v2(5292.23,2177.64)
  Bottom Layer w5: v2(5292.23,2177.64) 5292.73,2177.14 5325.73,2177.14 v2(5326.23,2176.64)
DRAM_D15: U1.N15 U2.R2 | length 633.7
  Top Layer w5: U1.N15@5210.79,2580.11 5219.72,2580.11 5266.09,2533.74 5266.09,2422.14 5365.73,2322.5 5365.73,2167.14 v2(5367.23,2165.64) ; U2.R2@5272.24,2092.72 5289.73,2110.21 v2(5289.73,2151.14)
  Bottom Layer w5: v2(5289.73,2151.14) 5347.23,2151.14 5361.73,2165.64 v2(5367.23,2165.64)